# Altium PCB lora_gw_som_pcb.PcbDoc (part 3 of 3)
Units mm, origin at the board's own origin, x right, y up, seen from the top; angles counter-clockwise.
Board outline 30 x 50.95 mm, 6 copper layers (Top, GND-1, Signal-1, Signal-2, GND-2, Bottom), stack 0.926 mm thick; 205 components, 139 nets, 657 pads, 558 vias.
Unrouted connection lines stored in the file: 164.
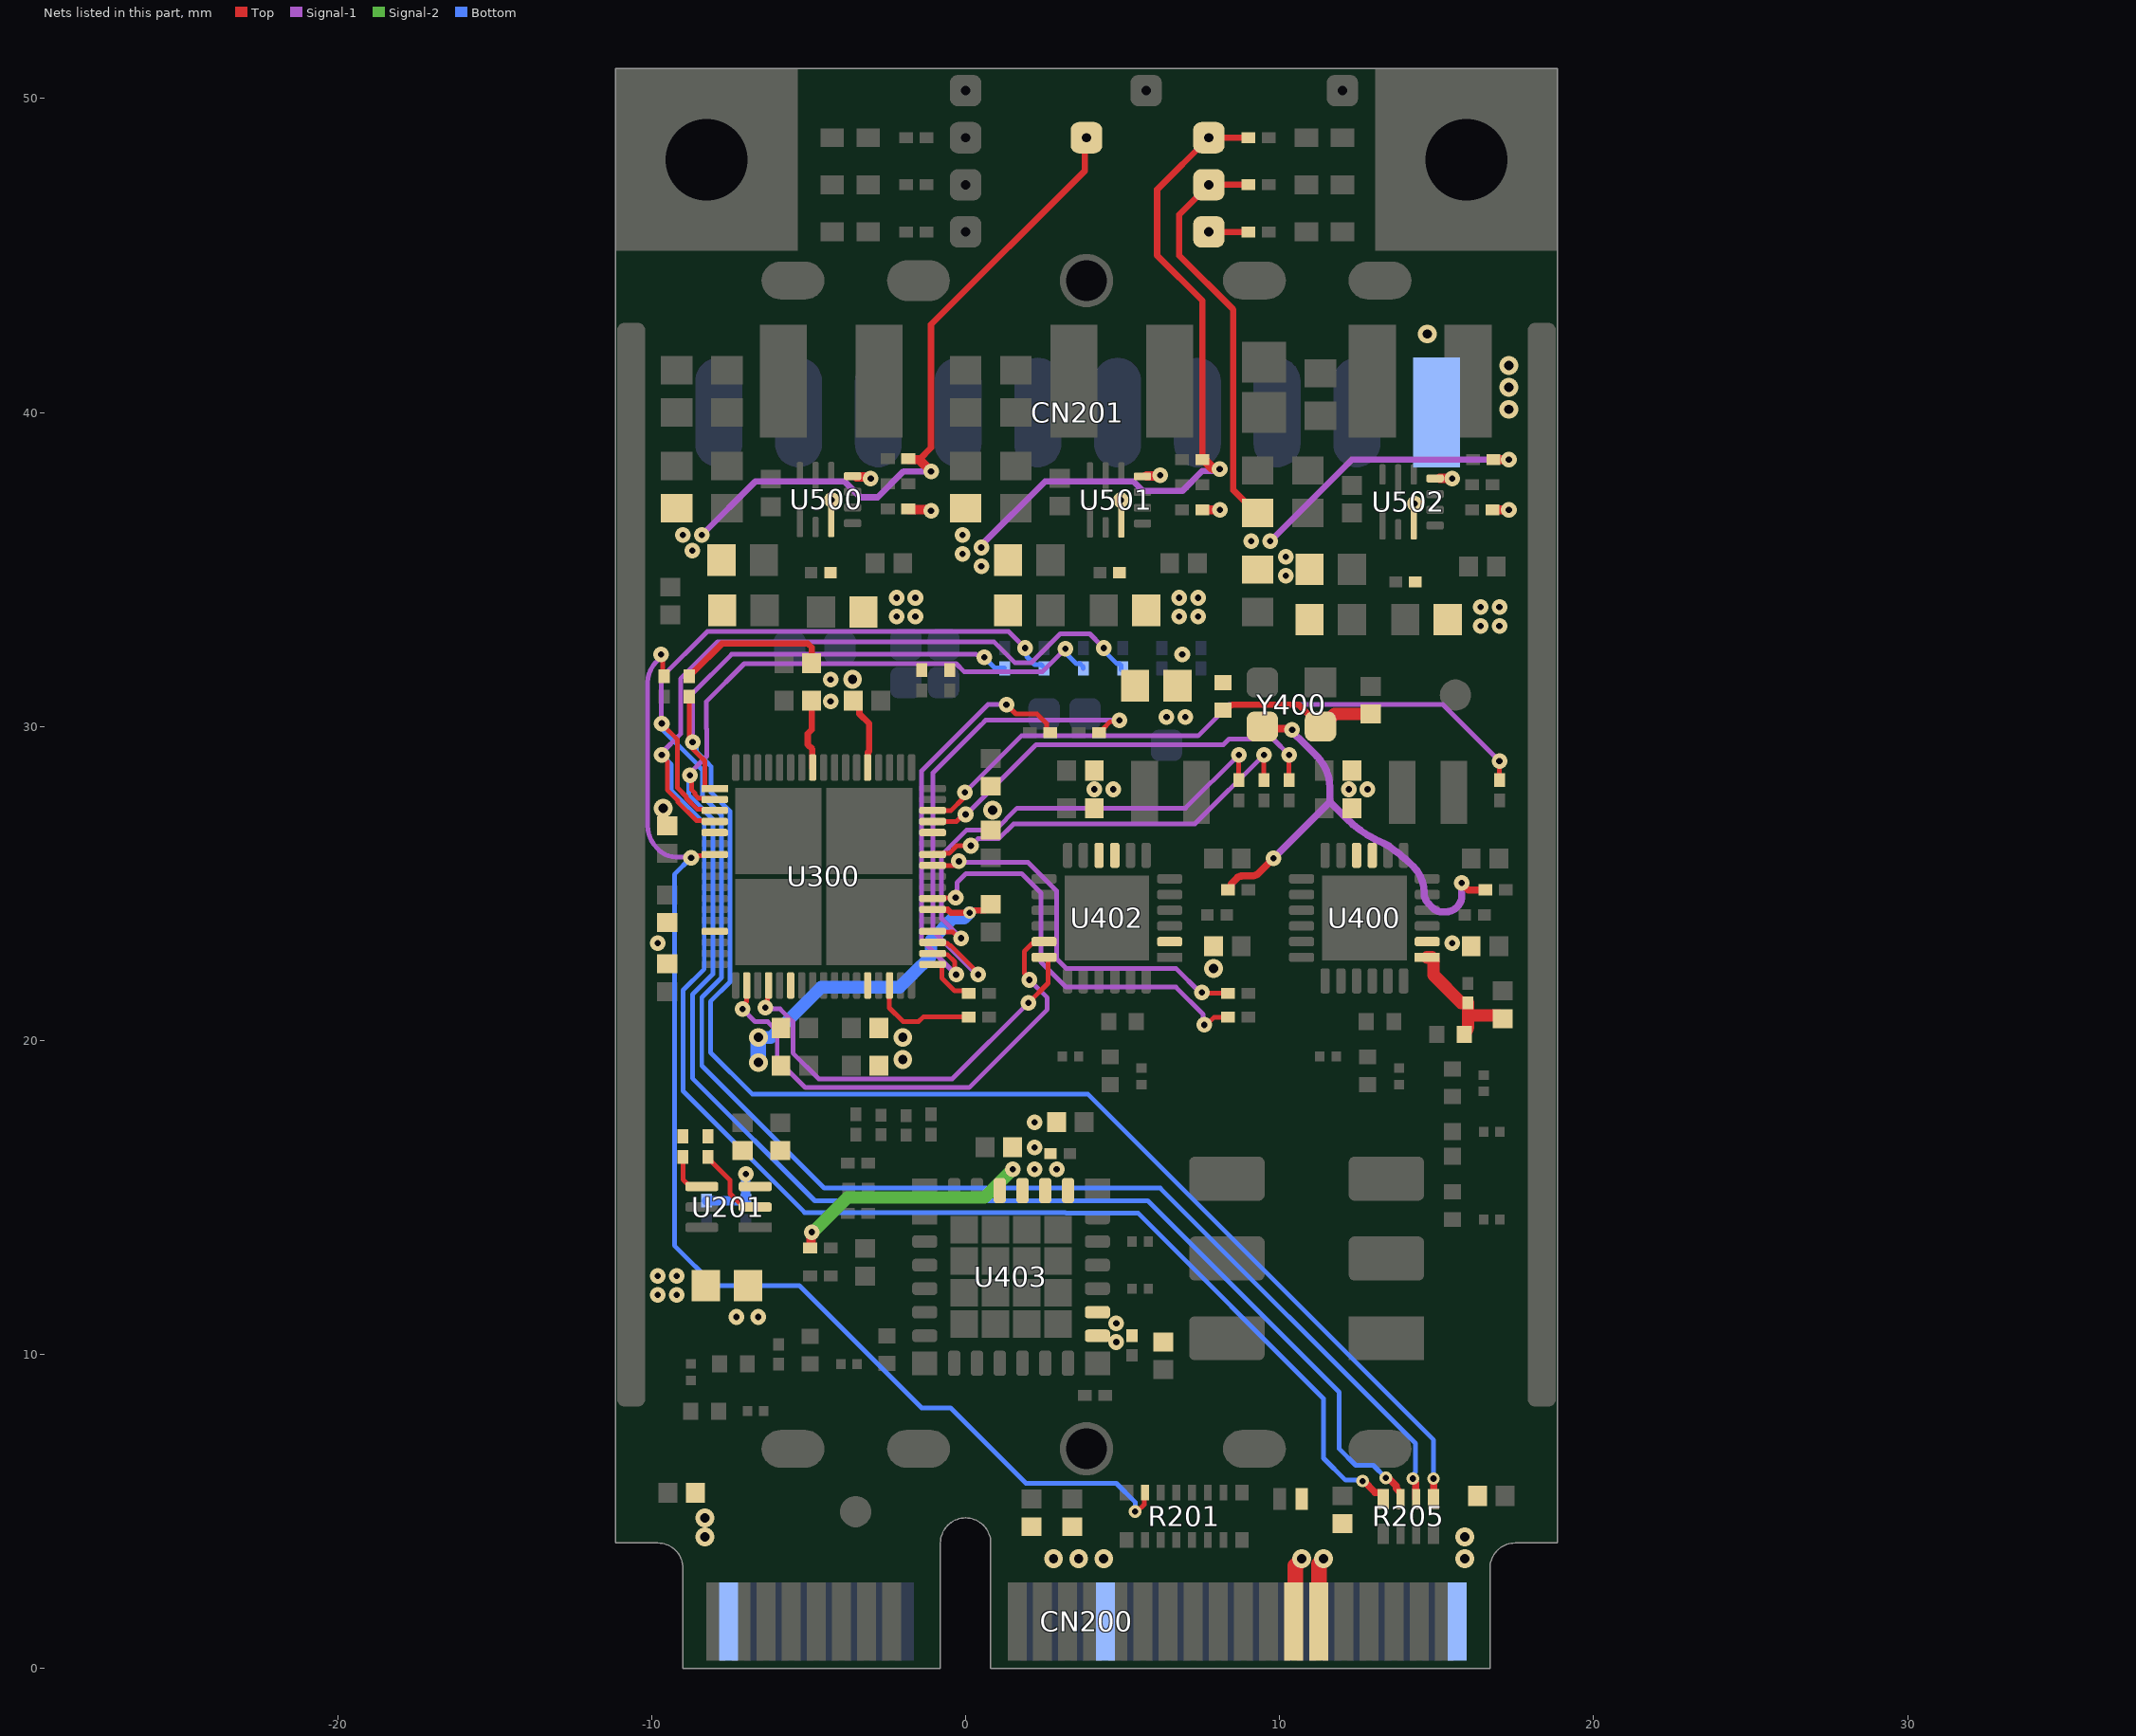
[diagram p7: the nets of this part, all layers, seen from the top]

## Via types
v1: diameter 0.4/0.5/0.5/0.4 (per signal layer), hole 0.2, Top to Bottom, 353 vias
v2: diameter 0.65, hole 0.3, Top to Bottom, 150 vias
v3: diameter 0.6/0.6/0.6/0.6 (per signal layer), hole 0.3, Top to Bottom, 39 vias
v4: diameter 0.7, hole 0.3, Top to Bottom, 16 vias

## Nets (pads, with @x,y where several pads share a name; then routed paths per layer and width w, separated by ;. In a path a pad name is that pad's centre, name@x,y a point inside that pad or via, vN(x,y) a via of type N, cw(c..) or ccw(c..) an arc to the next point about the centre after c; other vN are vias at no path point) (continued)
SPI_RADIO_B.MOSI: U300.19 U402.17 | length 16
  Top w0.15: v1(-7.1,21) -7.052,21.048 -7.052,21.168 -6.98,21.241 -6.98,21.746 U300.19@-6.97,21.755 ; v1(2.032,21.932) 2.032,21.983 1.871,22.145 1.871,22.846 2.1,23.075 2.425,23.075 U402.17@2.5,23.15
  Signal-1 w0.15: v1(-7.1,21) -6.7,20.6 -6.3,20.6 -6,20.3 -6,19.4 -5.1,18.5 0.111,18.5 2.6,20.989 2.6,21.364 v1(2.032,21.932)
SPI_RADIO_B.SCK: U300.21 U402.18 | length 13.4
  Top w0.15: v1(-6.374,21.055) -6.374,21.122 -6.305,21.192 -6.305,21.72 U300.21@-6.27,21.755 ; v1(2,21.2) 2.625,21.825 2.625,22.575 2.55,22.65 U402.18@2.5,22.65
  Signal-1 w0.15: v1(-6.374,21.055) -6.328,21.008 -5.908,21.008 -5.5,20.6 -5.5,19.6 -4.675,18.775 -0.425,18.775 v1(2,21.2)
SPI_SX1302.MISO: R205.3 R212.2 U300.2 | length 56.8
  Top w0.15: v1(-8.775,28.444) -8.731,28.4 -8.731,27.991 -8.615,27.875 -8.615,27.828 -8.498,27.71 -8.025,27.71 U300.2@-7.99,27.675
  Top w0.227: v1(13.384,6.075) 13.417,6.042 13.496,6.042 13.714,5.824 13.714,5.736 13.839,5.611 13.839,5.411 R205.3@13.85,5.4
  Signal-1 w0.15: v1(-8.775,28.444) -8.775,28.525 -8.243,29.057 -8.243,29.924 -8.25,29.932 -8.25,30.799 -7.049,32 -0.3,32 -0.05,31.75 2.45,31.75 v1(3.176,32.476)
  Bottom w0.15: v1(-8.775,28.444) -8.808,28.41 -8.808,27.808 -8.05,27.05 -8.05,22.114 -8.7,21.464 -8.7,18.8 -4.8,14.9 5.8,14.9 11.9,8.8 11.9,7 12.423,6.477 12.481,6.477 12.483,6.475 12.984,6.475 v1(13.384,6.075) ; v1(3.176,32.476) 3.223,32.428 3.223,32.304 3.532,31.995 3.65,31.995 3.75,31.895 R212.2@3.75,31.85
SPI_SX1302.MOSI: R205.2 R213.2 U300.3 | length 60.2
  Top w0.15: v1(-9.675,30.098) -9.675,30.08 -9.175,29.58 -9.175,28.046 -8.89,27.761 -8.89,27.714 -8.537,27.36 -8.025,27.36 U300.3@-7.998,27.333
  Top w0.227: v1@14.244,6.06 14.244,5.999 14.339,5.905 14.339,5.411 R205.2@14.35,5.4
  Signal-1 w0.15: v1(-9.675,30.098) -9.693,30.116 -9.693,31.557 -8.225,33.025 1.375,33.025 v1(1.9,32.5)
  Bottom w0.15: v1(-9.675,30.098) -9.646,30.069 -9.646,29.894 -8.464,28.713 -8.464,28.695 -8.375,28.606 -8.375,27.775 -7.775,27.175 -7.775,22 -8.4,21.375 -8.4,19.2 -4.5,15.3 6.2,15.3 14.325,7.175 14.325,6.263 14.288,6.226 14.288,6.098 v1(14.24,6.05) ; v1(1.9,32.5) 1.948,32.452 1.948,32.227 2.206,31.969 2.4,31.969 2.5,31.869 R213.2@2.5,31.85
SPI_SX1302.NSS: R205.1 R214.2 R300.2 U300.1 | length 56.4
  Top w0.15: R300.2@-8.8,30.95 v1@-8.8,29.507 ; v1(-8.693,29.507) v1@-8.8,29.507 ; U300.1@-7.99,28.025 -8.26,28.025 -8.3,28.065 -8.3,28.9 -8.8,29.4 v1@-8.8,29.507
  Top w0.227: R205.1@14.9,5.4 14.903,5.403 14.903,6.06 v1@14.907,6.063
  Signal-1 w0.15: v1(-8.693,29.507) -8.693,31.057 -7.45,32.3 0.337,32.3 0.37,32.267 0.533,32.267 v1(0.6,32.2)
  Bottom w0.15: v1(-8.693,29.507) -8.693,29.44 -8.568,29.315 -8.568,29.206 -8.189,28.827 -8.189,28.809 -8.1,28.72 -8.1,27.9 -7.5,27.3 -7.5,21.866 -8.125,21.241 -8.125,19.625 -6.8,18.3 3.889,18.3 14.907,7.282 v1@14.907,6.063 ; v1(0.6,32.2) 0.938,31.862 1.238,31.862 R214.2@1.24,31.86
  other v1: 14.9,6.05
SPI_SX1302.SCK: R205.4 R211.2 U300.4 | length 62
  Top w0.15: v1(-9.675,29.1) -9.675,29.062 -9.5,28.887 -9.5,27.982 -9.165,27.647 -9.165,27.6 -8.576,27.01 -8.025,27.01 U300.4@-7.99,26.975
  Top w0.227: v1(12.64,5.973) 12.682,5.973 13.043,5.611 13.239,5.611 13.3,5.55 R205.4@13.3,5.4
  Signal-1 w0.15: v1(-9.675,29.1) -9.675,29.161 -9.075,29.761 -9.075,31.525 -7.9,32.7 0.9,32.7 1.566,32.034 2.098,32.034 3.014,32.95 3.955,32.95 4.135,32.77 4.135,32.765 v1(4.4,32.5)
  Bottom w0.15: v1(-9.675,29.1) -9.368,28.793 -9.368,27.968 -8.325,26.925 -8.325,22.275 -9,21.6 -9,18.4 -5.125,14.525 3.178,14.525 3.203,14.5 5.5,14.5 11.4,8.6 11.4,6.7 12.1,6 12.475,6 12.502,5.973 v1(12.64,5.973) ; v1(4.4,32.5) 4.448,32.452 4.448,32.374 4.827,31.995 4.9,31.995 4.95,31.945 R211.2@4.95,31.8
SX1302_A_IQ0: R301.1 U300.44 | length 12.5
  Top w0.15: U300.44@-1.05,25.575 -0.364,25.575 -0.232,25.707 v1(-0.212,25.707) ; v1(7.527,21.527) 7.541,21.514 8.336,21.514 R301.1@8.35,21.5
  Signal-1 w0.15: v1(-0.212,25.707) -0.182,25.677 1.986,25.677 2.9,24.764 2.9,22.6 3.2,22.3 6.7,22.3 7.473,21.527 v1(7.527,21.527)
SX1302_A_IQ1: R302.1 U300.45 | length 12.7
  Top w0.15: U300.45@-1.05,25.925 -1.015,25.96 -0.524,25.96 -0.28,26.205 v1(0.166,26.205) ; R302.1@9.5,28.3 v1(9.5,29.1)
  Signal-1 w0.15: v1(0.166,26.205) 0.177,26.205 0.398,26.425 1.053,26.425 1.528,26.9 7.3,26.9 v1(9.5,29.1)
SX1302_A_IQ2: R303.1 U300.49 | length 20.9
  Top w0.15: U300.49@-1.05,27.325 -0.463,27.325 -0.073,27.715 -0.073,27.852 v1(-0.025,27.9) ; R303.1@17,28.3 v1(17,28.9)
  Signal-1 w0.15: v1(-0.025,27.9) 1.775,29.7 7.4,29.7 8.4,30.7 15.2,30.7 v1(17,28.9)
SX1302_A_IQ3: R304.1 U300.41 | length 13.5
  Top w0.15: U300.41@-1.05,24.525 -1.035,24.54 -0.331,24.54 v1(-0.316,24.555) ; v1(7.6,20.5) 7.668,20.5 7.905,20.737 8.337,20.737 R304.1@8.35,20.75
  Signal-1 w0.15: v1(-0.316,24.555) -0.271,24.6 -0.271,25.031 0.016,25.317 1.783,25.317 2.4,24.7 2.4,22.5 3.2,21.7 6.7,21.7 7.564,20.836 7.564,20.536 v1(7.6,20.5)
SX1302_A_IQ4: R305.1 U300.48 | length 13.4
  Top w0.15: U300.48@-1.05,26.975 -0.292,26.975 -0.068,27.2 v1(0,27.2) ; R305.1@10.3,28.3 v1(10.3,29.1)
  Signal-1 w0.15: v1(0,27.2) 0.025,27.2 2.25,29.425 8.214,29.425 8.389,29.6 9.8,29.6 v1(10.3,29.1)
SX1302_B_IQ0: R306.1 U300.35 | length 1.6
  Top w0.15: U300.35@-0.838,22.425 -0.798,22.425 -0.758,22.385 -0.758,21.992 -0.345,21.579 0.021,21.579 R306.1@0.1,21.5
SX1302_B_IQ1: R308.1 U300.36 | length 13.6
  Top w0.15: U300.36@-1.05,22.775 -1.015,22.74 -0.576,22.74 -0.348,22.512 -0.348,22.148 v1(-0.3,22.1) ; v1(1.3,30.7) 1.6,30.4 2.275,30.4 2.581,30.094 2.581,29.9 2.669,29.812 R308.1@2.688,29.812
  Signal-1 w0.15: v1(-0.3,22.1) -1.4,23.2 -1.4,28.588 0.712,30.7 v1(1.3,30.7)
SX1302_B_IQ2: R309.1 U300.38 | length 15.5
  Top w0.15: U300.38@-1.05,23.475 -1.026,23.451 -0.4,23.451 -0.208,23.26 v1(-0.14,23.26) ; R309.1@8.7,28.3 v1(8.7,29.1)
  Signal-1 w0.15: v1(-0.14,23.26) -0.767,23.886 -0.767,25.908 0.025,26.7 0.939,26.7 1.639,27.4 7,27.4 v1(8.7,29.1)
SX1302_B_IQ3: R310.1 U300.32 | length 3.5
  Top w0.15: U300.32@-2.42,21.755 -2.426,21.75 -2.426,21.049 -2.431,21.044 -1.994,20.607 -1.493,20.607 -1.35,20.75 R310.1@0.1,20.75
SX1302_B_IQ4: R311.1 U300.37 | length 16.4
  Top w0.15: U300.37@-1.05,23.125 -1.015,23.09 -0.567,23.09 -0.492,23.015 -0.462,23.015 0.4,22.153 v1(0.4,22.1) ; R311.1@4.25,29.8 4.295,29.8 4.395,29.9 4.395,29.945 4.602,30.152 4.852,30.152 v1(4.9,30.2)
  Signal-1 w0.15: v1(0.4,22.1) 0.353,22.1 -1.042,23.494 -1.042,28.523 0.486,30.05 ; 0.486,30.05 0.636,30.2 v1(4.9,30.2)
SX1302_RESET: R201.15 R307.1 U300.7 | length 40.8
  Top w0.15: v1(-9.7,32.3) -9.652,32.252 -9.652,31.652 R307.1@-9.6,31.6 ; v1(-8.74,25.825) -8.672,25.825 -8.607,25.89 -8.025,25.89 U300.7@-7.99,25.925 ; v1(5.394,5.006) 5.462,5.006 5.581,5.125 5.593,5.125 5.693,5.226 5.693,5.581 R201.15@5.713,5.6
  Signal-1 w0.15: -10.125,31.393 -10.125,26.859 ccw(c-9.079,26.858) -9.819,26.119 -9.818,26.118 -9.772,26.072 ccw(c-9.221,26.621) -9.221,25.843 -8.758,25.843 v1(-8.74,25.825) ; -10.125,31.394 cw(c-9.191,31.394) -9.852,32.054 -9.7,32.205 v1(-9.7,32.3)
  Bottom w0.15: v1(-8.74,25.825) -9.275,25.29 -9.275,21.714 -9.275,13.475 -8,12.2 -5.3,12.2 -1.4,8.3 -0.476,8.3 1.924,5.9 4.8,5.9 5.399,5.301 5.399,5.011 v1(5.394,5.006)
TCXO.OUT: R400.1 R401.1 Y400.3 | length 15.6
  Top w0.227: R401.1@8.35,24.8 8.456,24.861 8.456,24.989 8.636,25.169 cw(c8.812,24.993) 8.812,25.241 9.13,25.241 ccw(c9.13,25.511) 9.32,25.32 v1(9.8,25.8) ; Y400.3@9.45,30 9.517,29.933 10.367,29.933 v1(10.4,29.9) ; v1(15.8,25.019) 15.8,25.013 16.013,24.8 R400.1@16.55,24.8
  Signal-1 w0.227: v1(9.8,25.8) 11.6,27.6 ; v1(10.4,29.9) 10.4,29.842 10.789,29.453 11.183,29.059 11.184,29.057 cw(c10.179,28.053) 11.6,28.053 11.6,27.6 ; v1(15.8,25.019) 15.8,24.606 cw(c15.304,24.606) 15.654,24.254 15.643,24.243 cw(c15.298,24.589) 15.298,24.1 15.173,24.1 cw(c15.175,24.521) 14.877,24.223 14.749,24.351 cw(c15.105,24.709) 14.6,24.707 ccw(c13.409,24.71) 14.252,25.551 ccw(c10.52,21.812) 13.456,26.204 ccw(c13.33,26.015) 13.435,26.216 13.318,26.278 cw(c14.736,29.691) 12.119,27.081 11.6,27.6
TEMP.ADDR: R209.1 U201.4 | length 1.4
  Top w0.15: R209.1@-9,16.3 -9,15.75 -9,15.575 -8.775,15.35 U201.4@-8.4,15.35
TEMP.EVENT: R208.1 U201.2 | length 2.4
  Top w0.15: R208.1@-8.2,16.3 -8.2,16.255 -7.5,15.555 -7.5,15.125 -7.075,14.7 U201.2@-6.7,14.7
VCC_CORE_1V2: 1V2.0 C309.2 C310.2 C311.2 C312.2 C313.2 C507.2 C508.2 FB500.2 R501.2 U300.5 U300.23 U300.40 U300.56 | length 35.7
  Top w0.2: C309.2@-3.58,30.82 -3.38,30.62 -3.38,30.403 -3.069,30.091 -3.069,29.221 -3.11,29.18 -3.11,28.705 U300.56@-3.12,28.695 ; -1.45,38.525 -1.1,38.875 -1.1,42.8 3.8,47.7 3.8,48.7 1V2.0@3.85,48.75 ; U300.40@-1.05,24.175 -1.04,24.165 -0.565,24.165 -0.473,24.072 v1(0.128,24.072) ; v1@0.1,24.1 0.21,24.1 0.25,24.14 0.6,24.14 C310.2@0.8,24.34
  Top w0.3: R501.2@-1.825,38.525 -1.8,38.5 -1.475,38.5 v1@-1.119,38.144
  Signal-1 w0.2: v1(-8.4,36.1) -6.7,37.8 -3.85,37.8 -3.35,37.3 -2.8,37.3 -1.975,38.125 v1(-1.1,38.125)
  Bottom w0.4: v3(-6.6,20.1) -6.2,20.1 -4.6,21.7 -2.1,21.7 -1.7,22.1 -1.1,22.7 -1.1,23.2 -0.4,23.9 -0.044,23.9 v1(0.128,24.072)
  Bottom w0.5: v3(-6.6,19.3) v3(-6.6,20.1)
  other v1: -8.7,35.6 -9,36.1
  other v3: -9.625,27.4 -3.6,31.5
VCC_IN_5V: C201.2 C202.2 C203.2 C204.2 C205.2 C500.2 C501.2 C502.2 C510.2 C511.2 C512.2 CN200.2 CN200.24 CN200.39 CN200.41 CN200.52 CN201.1 D200.2 R204.2 R500.2 R504.2 R507.2 U500.6 U500.10 U501.6 U501.10 U502.6 U502.10 VIN.0 | length 8.6
  Top w0.2: VIN.0@7.75,45.75 R204.2@9,45.75
  Top w0.3: U500.10@-3.475,37.95 -3.097,37.95 -3.047,37.9 v1(-3.02,37.9) ; R500.2@-1.825,36.925 -1.803,36.903 -1.155,36.903 -1.127,36.875 v1(-1.1,36.875) ; U501.10@5.76,37.982 6.182,37.982 v1(6.2,38) ; R504.2@7.545,36.9 v1(8.1,36.9) ; U502.10@15.1,37.9 v1(15.5,37.9) ; R507.2@16.78,36.9 v1(17.3,36.9)
  Top w0.5: CN200.39@10.45,1.5 10.5,1.55 10.5,3.273 10.7,3.473 v3(10.7,3.5) ; CN200.41@11.25,1.5 11.25,3.323 11.4,3.473 v3(11.4,3.5)
  Signal-1 w0.3: v1@-3,37.88 v1@-3,37.9
  other v1: 16.4,33.2 17,33.2 -2.2,33.5 -1.6,33.5 6.8,33.5 7.4,33.5 16.4,33.8 17,33.8 -2.2,34.1 -1.6,34.1 6.8,34.1 7.4,34.1 14.3,37.1 4.94,37.208 -4.268,37.219
  other v3: 2.8,3.5 3.6,3.5 4.4,3.5 15.9,3.5 -8.3,4.2 15.9,4.2 -8.3,4.8 17.3,40.1 17.3,40.8 17.3,41.5 14.7,42.5
VCC_IO_3V3: 3V3.0 C206.2 C207.2 C300.2 C302.2 C303.2 C304.2 C305.2 C306.2 C307.2 C308.2 C519.2 C520.2 FB501.2 FB503.1 FB504.1 R202.2 R206.2 R207.2 R208.2 R209.2 R300.1 R312.2 R313.2 R505.2 U201.3 U300.14 U300.30 U300.47 U300.61 | length 31.6
  Top w0.2: R300.1@-8.8,31.6 -8.8,31.645 -8.725,31.72 -8.68,31.72 -7.76,32.64 -5.017,32.64 -4.9,32.523 C308.2@-4.9,32.04 ; C303.2@-4.9,30.82 -4.9,29.901 -5.025,29.776 -5.025,29.424 -4.88,29.279 -4.88,28.705 U300.61@-4.87,28.695 ; R505.2@7.545,38.5 7.545,43.555 6.1,45 6.1,47.1 3V3.0@7.75,48.75 R202.2@9,48.75
  Top w0.3: R505.2@7.545,38.5 7.59,38.5 7.876,38.214 8.074,38.214 v1(8.093,38.195)
  Signal-1 w0.2: v1(0.5,35.7) 0.5,35.772 2.528,37.8 5.35,37.8 5.65,37.5 6.9,37.5 7.543,38.143 8.04,38.143 v1(8.093,38.195)
  Bottom w0.3: R206.2@-8.25,14.9 R207.2@-7,14.9 v1(-7,15.75)
  other v1: -9.8,11.9 -9.2,11.9 -9.8,12.5 -9.2,12.5 -9.8,23.1 -4.3,30.8 -4.3,31.5 0.5,35.1 -0.1,35.5 -0.1,36.1
  other v3: -2,19.4 -2,20.1 0.866,27.334
VCC_RADIO_3V3: C416.2 C417.2 C418.2 C419.2 C421.2 C422.2 FB503.2 L406.1 U400.2 U400.9 U400.10 U402.2 U402.9 U402.10
  other v1: 15.5,23.1 4.1,28 4.7,28 12.2,28 12.8,28 6.4,30.3 7,30.3 6.9,32.3
  other v3: 7.9,22.3
VCC_RFSW_3V3: C433.2 C434.2 FB504.2 U403.16 U403.17
  other v1: 4.8,10.4 4.8,11 -7.3,11.2 -6.6,11.2
VCC_RFSW_3V9: 3V9.0 C435.2 C436.2 C437.2 C527.2 C528.2 C529.2 FB502.2 R203.2 R404.2 R508.2 U403.23 U403.24 U403.25 U403.26 | length 30.1
  Top w0.2: R203.2@9,47.25 3V9.0@7.75,47.25 6.8,46.3 6.8,45 8.525,43.275 8.525,37.525 9.25,36.8 FB502.2@9.3,36.8
  Top w0.3: R404.2@-4.95,13.4 -4.944,13.4 -4.919,13.425 -4.919,13.881 v1(-4.9,13.9) ; R508.2@16.805,38.5 v1(17.3,38.5)
  Signal-1 w0.2: v1(9.7,35.9) 12.3,38.5 v1(17.3,38.5)
  Signal-2 w0.4: v1@-4.873,13.9 -3.773,15 0.6,15 v1(1.5,15.9)
  other v1: 2.2,15.9 2.9,15.9 2.2,16.6 2.2,17.4 10.2,34.8 10.2,35.4 9.1,35.9
VR_PA: C411.2 C412.2 L400.1 U400.1 | length 4.4
  Top w0.4: U400.1@14.7,22.65 14.85,22.65 14.9,22.6 14.9,22.085 15.785,21.2 C411.2@16,21.2 16,20.8 ; L400.1@15.88,20.2 ccw(c15.59,20.49) 16,20.49 16,20.8 ; C412.2@17.1,20.7 17,20.8 16,20.8
Y_VCC: C410.2 L406.2 Y400.4 | length 5.2
  Top w0.2: L406.2@8.2,30.52 8.34,30.66 8.447,30.66 8.487,30.7 10.6,30.7 Y400.4@11.3,30
  Top w0.4: Y400.4@11.3,30 11.345,30 11.746,30.401 C410.2@12.9,30.4
pads on no net: CN200.6 CN200.7 CN200.8 CN200.10 CN200.11 CN200.13 CN200.17 CN200.19 CN200.20 CN200.22 CN200.23 CN200.25 CN200.28 CN200.31 CN200.33 CN200.36 CN200.38 CN200.48 FID1.0 FID2.0 U300.8 U300.11 U300.17 U300.22 U300.26 U300.27 U300.29 U300.31 U400.4 U401.2 U401.5 U402.1 U402.4 U402.24
copper on no net: | length 7.3
  Bottom w0.15: 5.005,46.519 cw(c3.833,46.519) 5.005,46.549

## Polygon pours and split planes (outlines as drawn)
GND on Top "GND_L01_P107" (solid, remove dead copper, pour order 107): -12,51 19,51 19,3 -12,3
VCC_IN_5V on Top "VCC_IN_5V_L01_P037" (solid, remove dead copper, pour order 37): -7.9,3.9 -7.9,5.52 -8.3,5.92 -8.9,5.92 -8.9,3.9
VCC_RFSW_3V3 on Top "VCC_RFSW_3V3_L01_P093" (solid, pour order 93): -7.6,11 -7.5,10.9 -6.4,10.9 -6.3,11 -6.3,12.525 -6.475,12.7 -7.375,12.7 -7.6,12.475
GND on Top "GND_L01_P102" (solid, pour order 102): -2.885,28.328 -2.885,30.385 -3,30.5 -3,31.71 -2.934,31.776 -2.566,31.776 -2.4,31.61 -2.4,28.583 -2.655,28.328
GND on Top "GND_L01_P073" (solid, remove dead copper, pour order 73): -1.418,23.94 0.94,23.94 1.12,23.76 1.12,22.6 0.428,22.6 -0.683,23.71 -1.418,23.71
GND on Top "GND_L01_P056" (solid, remove dead copper, pour order 56): -7.622,26.16 -8.68,26.16 -9.18,25.66 -9.18,24.34 -9.82,24.34 -9.82,26.481 -9.79,26.51 -7.719,26.51 -7.582,26.374 -7.582,26.177 -7.606,26.177
GND on Top "GND_L01_P055" (solid, remove dead copper, pour order 55): -5.335,28.328 -5.335,29.063 -6.08,29.808 -7.2,30.885 -7.2,31.9 -6.76,32.34 -5.2,32.34 -5.2,29.5 -5.105,29.405 -5.105,28.328
VCC_CORE_1V2 on Top "VCC_CORE_1V2_L01_P054" (solid, remove dead copper, pour order 54): -3.235,29.855 -3.88,30.5 -3.88,31.841 -3.341,31.841 -3.005,31.505 -3.005,28.328 -3.235,28.328 -3.005,28.328 -3.235,28.328
VCC_IO_3V3 on Top "VCC_IO_3V3_L01_P053" (solid, remove dead copper, pour order 53): -4.985,28.328 -4.985,29.56 -5.2,29.775 -5.2,32.34 -4.54,32.34 -4,31.8 -4,30.5 -4.1,30.5 -4.755,29.845 -4.755,28.328 -4.985,28.328 -4.985,28.887 -4.985,28.695
VCC_IO_3V3 on Top "VCC_IO_3V3_L01_P052" (solid, remove dead copper, pour order 52): -7.622,23.59 -7.622,23.36 -8.56,23.36 -9.18,22.74 -9.18,22.14 -9.82,22.14 -9.82,24.06 -9.18,24.06 -8.71,23.59 -8.357,23.59
VCC_CORE_1V2 on Top "VCC_CORE_1V2_L01_P051" (solid, remove dead copper, pour order 51): -7.622,26.74 -7.622,26.51 -9.79,26.51 -9.82,26.54 -9.82,27.14 -9.18,27.14 -8.78,26.74
VCC_CORE_1V2 on Top "VCC_CORE_1V2_L01_P050" (solid, remove dead copper, pour order 50): 1.12,24.64 1.12,24 -1.357,24 -1.418,24.06 -1.418,24.29 0.13,24.29 0.48,24.64 0.8,24.64
VCC_IO_3V3 on Top "VCC_IO_3V3_L01_P048" (solid, remove dead copper, pour order 48): -1.418,26.74 0.22,26.74 0.48,27 0.48,28.4 1.12,28.4 1.12,26.4 0.48,26.4 0.37,26.51 -1.418,26.51
VCC_CORE_1V2 on Top "VCC_CORE_1V2_L01_P047" (solid, remove dead copper, pour order 47): -5.455,22.123 -5.455,19.005 -5.58,18.88 -6.68,18.88 -6.9,19.1 -6.9,20.5 -6.68,20.72 -6.18,20.72 -5.685,21.215 -5.685,22.123
VCC_IO_3V3 on Top "VCC_IO_3V3_L01_P046" (solid, remove dead copper, pour order 46): -3.005,22.123 -3.005,21.388 -2.46,20.843 -2.46,20.66 -2.2,20.4 -1.7,20.4 -1.7,19.2 -2.02,18.88 -2.46,18.88 -3.06,18.88 -3.235,19.055 -3.235,22.123
VCC_RFSW_3V3 on Top "VCC_RFSW_3V3_L01_P033" (solid, remove dead copper, pour order 33): 3.899,11.55 5.95,11.55 6.62,10.88 6.62,10.1 5.775,10.1 5.575,10.3 3.999,10.3 3.799,10.5 3.799,11.45
VCC_IN_5V on Top "VCC_IN_5V_L01_P106" (solid, pour order 106): 15.6,3.1 15.6,5.42 16,5.82 16.6,5.82 16.6,3.499 16.201,3.1
VCC_IO_3V3 on Top "VCC_IO_3V3_L01_P091" (solid, pour order 91): -7.825,11.7 -10,11.7 -10.1,11.8 -10.1,12.6 -10,12.7 -7.825,12.7
VCC_IN_5V on Top "VCC_IN_5V_L01_P045" (solid, remove dead copper, pour order 45): 1.78,4.82 3.72,4.82 4.7,3.84 4.7,3.1 2.5,3.1 2.5,3.5 1.78,4.22
VCC_IN_5V on Top "VCC_IN_5V_L01_P039" (solid, remove dead copper, pour order 39): 10.15,4.15 10.5,4.5 10.5,5.75 10.9,5.75 11.73,4.92 12.32,4.92 12.32,4.32 11.7,3.7 11.7,3.1 10.15,3.1
VCC_RFSW_3V9 on Top "VCC_RFSW_3V9_L01_P032" (solid, remove dead copper, pour order 32): 3.362,14.825 3.462,14.925 3.462,15.663 2.9,16.225 2.9,16.78 3.2,17.08 3.2,17.72 2,17.72 1.2,16.92 1.2,15.838 0.887,15.525 0.887,14.925 0.987,14.825
VCC_IO_3V3 on Top "VCC_IO_3V3_L01_P031" (solid, remove dead copper, pour order 31): -9.175,17.17 -7.79,17.17 -7.42,16.8 -5.58,16.8 -5.58,16.2 -6.175,15.605 -6.175,15.275 -6.25,15.2 -7.15,15.2 -7.225,15.275 -7.225,16.005 -7.95,16.73 -9.175,16.73
VCC_IN_5V on Top "Top-VCC_IN_5V" (solid, pour order 0): 14.1,37.1 14.5,37.1 14.5,35.7 16.2,34 17.3,34 17.3,32.9 14.9,32.9 14.1,32.9
DC3V9.SW on Top "DC3V9.SW_L01_P003" (solid, pour order 3): 15.25,42.8 16.75,42.8 16.75,39.2 14.8,39.2 13.875,38.275 13.875,37.35 13.675,37.35 13.675,38.875 15.25,40.45
DC3V9.VO on Top "DC3V9.VO_L01_P004" (solid, pour order 4): 13.4,38.9 13.7,39.2 13.7,42.8 12.2,42.8 12.2,40.663 8.813,40.663 8.8,40.65 8.8,37.5 11.6,37.5 11.8,37.3 13.4,37.3
VCC_IN_5V on Top "VCC_IN_5V_L01_P007" (solid, pour order 7): 4.7,37.3 5.2,37.3 5.2,35.3 6.1,34.4 7.7,34.4 7.7,33.2 4.7,33.2
DC3V3.SW on Top "DC3V3.SW_L01_P009" (solid, pour order 9): 7.25,42.8 5.75,42.8 5.75,40.508 4.36,39.119 4.36,37.415 4.56,37.415 4.56,38.36 5.4,39.2 7.25,39.2
DC3V3.VO on Top "DC3V3.VO_L01_P010" (solid, pour order 10): 4.2,39.2 4.1,39.1 4.1,37.6 -0.5,37.6 -0.5,40.45 2.665,40.45 2.7,40.485 2.7,42.8 4.2,42.8
VCC_IO_3V3 on Top "VCC_IO_3V3_L01_P012" (solid, pour order 12): -0.5,37.4 0.8,37.4 0.8,36.5 1.5,35.8 2.125,35.8 2.125,33.2 0.9,33.2 -0.5,34.6 -0.5,36.2
VCC_RFSW_3V9 on Top "VCC_RFSW_3V9_L01_P013" (solid, pour order 13): 8.8,37.25 9.8,37.25 9.8,36.2 10.5,35.5 11.4,35.5 11.4,32.9 10.5,32.9 10.5,33.7 9.65,34.55 8.8,34.55
VCC_IN_5V on Top "VCC_IN_5V_L01_P015" (solid, pour order 15): -4.5,37.219 -4.037,37.219 -4.037,35.387 -3.05,34.4 -1.3,34.4 -1.3,33.15 -4.5,33.15
DC1V2.SW on Top "DC1V2.SW_L01_P016" (solid, pour order 16): -4.675,37.475 -4.675,38.325 -3.8,39.2 -2,39.2 -2,42.8 -3.5,42.8 -3.5,40.516 -4.875,39.141 -4.875,38.675 -4.875,37.475
DC1V2.VO on Top "DC1V2.VO_L01_P017" (solid, pour order 17): -9.7,40.45 -7.1,40.45 -6.55,41 -6.55,42.8 -5.05,42.8 -5.05,39.2 -5.175,39.075 -5.175,37.58 -6.52,37.58 -6.79,37.85 -9.7,37.85
VCC_CORE_1V2 on Top "VCC_CORE_1V2_L01_P018" (solid, pour order 18): -9.7,37.4 -8.7,37.4 -8.7,36.743 -7.775,35.818 -7.775,35.8 -7.325,35.8 -7.3,35.775 -7.3,33.2 -8.5,33.2 -8.5,35.1 -9.7,36.3
VCC_CORE_1V2 on Top "VCC_CORE_1V2_L01_P066" (solid, remove dead copper, pour order 66): -9.18,27.14 -9.7,27.8 -9.18,27.14 -9.18,26.54 -10.078,26.54 -10.078,27.722 -9.638,27.722
VCC_RADIO_3V3 on Top "VCC_RADIO_3V3_L01_P074" (solid, remove dead copper, pour order 74): 12.3,25.5 12.3,26.375 12,26.675 12,28.92 13.08,28.92 13.1,28.9 13.1,25.5
VCC_RADIO_3V3 on Top "VCC_RADIO_3V3_L01_P075" (solid, remove dead copper, pour order 75): 4.1,25.5 4.1,26.375 3.8,26.675 3.8,28.92 4.88,28.92 4.9,28.9 4.9,25.5
VCC_RADIO_3V3 on Top "VCC_RADIO_3V3_L01_P076" (solid, remove dead copper, pour order 76): 6.175,23.3 7.58,23.3 7.6,23.32 8.2,23.32 8.2,22.4 7.6,22.4 7,23 6.175,23
VCC_RADIO_3V3 on Top "VCC_RADIO_3V3_L01_P077" (solid, remove dead copper, pour order 77): 14.375,23.3 15.78,23.3 15.8,23.32 16.4,23.32 16.4,22.68 15.52,22.68 15.2,23 14.375,23
VCC_IO_3V3 on Top "VCC_IO_3V3_L01_P078" (solid, remove dead copper, pour order 78): -0.5,35.7 2.8,32.4 2.8,30.8 1.3,30.8 -0.5,32.6
VCC_IO_3V3 on Top "VCC_IO_3V3_L01_P079" (solid, remove dead copper, pour order 79): -1.575,31.58 1.38,31.58 1.5,31.7 -0.1,33.3 -0.5,33.3 -1.575,32.225 -1.575,32.02
VCC_IO_3V3 on Top "VCC_IO_3V3_L01_P080" (solid, remove dead copper, pour order 80): 5.85,30.8 5.85,32.25 4.9,33.2 1.8,33.2 1.8,31 2,30.8
VCC_IO_3V3 on Top "VCC_IO_3V3_L01_P081" (solid, remove dead copper, pour order 81): -5.2,32.34 -4.44,33.1 -0.4,33.1 -0.4,31.68 -0.5,31.58 -5.2,31.58
VCC_RADIO_3V3 on Top "VCC_RADIO_3V3_L01_P086" (solid, pour order 86): 8.2,23.32 8.2,22 7.6,22 7.6,23.32
VCC_RADIO_3V3 on Top "VCC_RADIO_3V3_L01_P089" (solid, pour order 89): 7.93,31.67 7.93,31.64 8.47,31.64 8.47,31.16 7.93,31.16 7.2,30.43 7.2,30.2 7.1,30.1 6.3,30.1 6.2,30.2 6.2,32 6.6,32.4 6.7,32.5 7.1,32.5 6.7,32.5 7.1,32.5
GND on Bottom "GND_L06_P103" (solid, remove dead copper, pour order 103): -12,51 19,51 19,3 -12,3
VCC_IN_5V on Bottom "VCC_IN_5V_L06_P036" (solid, remove dead copper, pour order 36): -7.25,0.25 -7.85,0.25 -7.85,3.25 -8.6,4 -8.6,5.1 -7.25,5.1 -7.25,2.75
VCC_IN_5V on Bottom "VCC_IN_5V_L06_P069" (solid, remove dead copper, pour order 69): 14,42.4 14.5,42.9 14.9,42.9 15.9,41.9 17.5,41.9 17.6,41.8 17.6,39.9 17.5,39.8 17.1,39.8 15.9,38.6 15.9,36.9 14,36.9
VCC_IN_5V on Bottom "VCC_IN_5V_L06_P044" (solid, remove dead copper, pour order 44): 4.75,0.25 4.75,3.75 4.7,3.8 2.5,3.8 2.5,3.1 3.9,3.1 4.15,2.85 4.15,0.25
VCC_IN_5V on Bottom "VCC_IN_5V_L06_P043" (solid, remove dead copper, pour order 43): 15.35,0.25 15.35,4.35 15.5,4.5 16.3,4.5 16.3,3.1 15.95,2.75 15.95,0.25
GND on Signal-2 "NONET_L01_P-001" (solid, remove dead copper, pour order 110): -11.5,51 19,51 19,0 -11.5,0
VCC_IO_3V3 on Signal-2 "VCC_IO_3V3_L04_P108" (solid, remove dead copper, pour order 108): -0.25,36.5 0.75,36.5 1.5,35.75 1.5,20.9 -6.6,12.8 -7.517,12.8 -7.517,18.7 -6.3,18.7 -6,19 -6,22.897 -6,30.157 -4.396,31.761 -4.048,31.761 -4.048,31.048 -4,31 -3.2,31 -0.5,33.7 -0.5,36.25
VCC_RFSW_3V9 on Signal-2 "VCC_RFSW_3V9_L04_P098" (solid, remove dead copper, pour order 98): 1,15.7 1.3,15.4 3.2,15.4 4.5,16.7 4.5,26.6 3.5,27.6 3.5,30.4 6.2,33.1 6.2,34.538 10.438,34.538 10.6,34.7 10.6,35.4 9.8,36.2 4.8,36.2 1.8,33.2 1.8,18.2 1,17.4
VCC_CORE_1V2 on Signal-2 "VCC_CORE_1V2_L04_P072" (solid, pour order 72): -9.4,36.5 -4.5,36.5 -3.24,35.24 -3.24,31.2 -3.96,31.2 -3.96,31.9 -5.4,31.9 -6.8,30.5 -6.8,20.658 -6.556,20.658 -6.24,20.341 -6.24,19.059 -6.424,18.875 -7.875,18.875 -8.7,19.7 -8.7,23.1 -10.5,23.1 -10.5,35.4
VCC_RADIO_3V3 on Signal-2 "VCC_RADIO_3V3_L04_P097" (solid, remove dead copper, pour order 97): 14.9,25.4 10.6,25.4 8.1,22.9 8.1,31.3 9.9,31.3 14.9,26.3
VCC_RADIO_3V3 on Signal-2 "VCC_RADIO_3V3_L04_P095" (solid, remove dead copper, pour order 95): 6.1,32.6 8.6,32.6 13.5,27.7 3.8,27.7 3.8,30.3
VCC_IN_5V on Signal-2 "VCC_IN_5V_L04_P060" (solid, remove dead copper, pour order 60): 17.9,8.75 -10.2,8.75 -10.2,3 18.75,3 -9.5,3 17.9,3
VCC_IN_5V on Signal-2 "VCC_IN_5V_L04_P099" (solid, remove dead copper, pour order 99): 6.535,34.365 6.535,33.3 6.635,33.2 9.73,33.2 9.975,32.955 9.975,32.225 16.012,26.188 16.012,21.912 6.535,12.435 6.535,11.335 -1.6,3.2 18.2,3.2 18.2,34.365
VCC_IO_3V3 on Signal-2 "VCC_IO_3V3_L04_P090" (solid, remove dead copper, pour order 90): -10.5,17.4 -2.6,17.4 -8.5,11.5 -10.1,11.5 -10.5,11.9
VCC_IO_3V3 on Signal-2 "VCC_IO_3V3_L04_P109" (solid, remove dead copper, pour order 109): -10.5,23.1 -9.6,23.1 -8.9,22.4 -8.9,19.6 -8,18.7 -6.934,18.7 -6.9,18.734 -6.9,16.3 -10.461,16.3 -10.5,16.339
VCC_RFSW_3V3 on Signal-2 "VCC_RFSW_3V3_L04_P094" (solid, remove dead copper, pour order 94): -7.6,11.3 -7.4,11.5 -6.3,11.5 -5.3,10.5 3.6,10.5 4.5,11.4 5,11.4 5.1,11.3 5.1,10.4 3.8,9.1 -6.1,9.1 -7.6,10.6
VCC_IN_5V on Signal-2 "VCC_IN_5V_L04_P100" (solid, pour order 100): -2.3,33.2 -3,33.9 -3,35.4 -4.5,36.9 -4.5,38 3.75,46.25 18.2,46.25 18.2,33.2 6.635,33.2 6.535,33.3 6.535,34.365 10.665,34.365 10.9,34.6 10.9,35.5 9.758,36.642 -0.358,36.642 -0.7,36.3 -0.7,33.9 -1.4,33.2
VCC_RADIO_3V3 on Signal-2 "VCC_RADIO_3V3_L04_P101" (solid, remove dead copper, pour order 101): 14.9,26.3 14.9,24.2 15.745,23.355 15.745,22.945 15.6,22.8 14.9,22.8 14.2,23.5 14.2,25.2 14,25.4
VCC_RADIO_3V3 on Signal-2 "VCC_RADIO_3V3_L04_P096" (solid, remove dead copper, pour order 96): 8.2,29.5 8.2,22.1 8,21.9 7.6,21.9 6.2,23.3 6.2,25.3 3.8,27.7 3.8,29.5
VCC_IN_5V on Signal-2 "VCC_IN_5V_L04_P058" (solid, remove dead copper, pour order 58): 17.3,34.1 17.3,32.9 16.1,32.9 16.1,34.1
GND on GND-2 (split plane): 18.348,4.502 17.5,4.502 17.491,4.502 17.354,4.494 17.21,4.469 17.07,4.429 16.935,4.373 16.807,4.302 16.688,4.218 16.579,4.121 16.482,4.012 16.398,3.893 16.327,3.765 16.271,3.63 16.231,3.49 16.206,3.346 16.198,3.209 16.198,3.2 16.198,0.502 1.302,0.502 1.302,4 1.302,4.009 1.294,4.146 1.269,4.29 1.229,4.43 1.173,4.565 1.102,4.693 1.018,4.812 0.921,4.921 0.812,5.018 0.693,5.102 0.565,5.173 0.43,5.229 0.29,5.269 0.146,5.294 0,5.302 -0.146,5.294 -0.29,5.269 -0.43,5.229 -0.565,5.173 -0.693,5.102 -0.812,5.018 -0.921,4.921 -1.018,4.812 -1.102,4.693 -1.173,4.565 -1.229,4.43 -1.269,4.29 -1.294,4.146 -1.302,4.009 -1.302,4 -1.302,0.502 -8.498,0.502 -8.498,3.2 -8.498,3.209 -8.506,3.346 -8.531,3.49 -8.571,3.63 -8.627,3.765 -8.698,3.893 -8.782,4.012 -8.879,4.121 -8.988,4.218 -9.107,4.302 -9.235,4.373 -9.37,4.429 -9.51,4.469 -9.654,4.494 -9.791,4.502 -9.8,4.502 -9.834,4.502 -9.834,5.7 -10.648,5.7 -10.648,50.448 18.348,50.448
GND on GND-1 (split plane): 18.348,4.502 17.5,4.502 17.491,4.502 17.354,4.494 17.21,4.469 17.07,4.429 16.935,4.373 16.807,4.302 16.688,4.218 16.579,4.121 16.482,4.012 16.398,3.893 16.327,3.765 16.271,3.63 16.231,3.49 16.206,3.346 16.198,3.209 16.198,3.2 16.198,0.502 1.302,0.502 1.302,4 1.302,4.009 1.294,4.146 1.269,4.29 1.229,4.43 1.173,4.565 1.102,4.693 1.018,4.812 0.921,4.921 0.812,5.018 0.693,5.102 0.565,5.173 0.43,5.229 0.29,5.269 0.146,5.294 0,5.302 -0.146,5.294 -0.29,5.269 -0.43,5.229 -0.565,5.173 -0.693,5.102 -0.812,5.018 -0.921,4.921 -1.018,4.812 -1.102,4.693 -1.173,4.565 -1.229,4.43 -1.269,4.29 -1.294,4.146 -1.302,4.009 -1.302,4 -1.302,0.502 -8.498,0.502 -8.498,3.2 -8.498,3.209 -8.506,3.346 -8.531,3.49 -8.571,3.63 -8.627,3.765 -8.698,3.893 -8.782,4.012 -8.879,4.121 -8.988,4.218 -9.107,4.302 -9.235,4.373 -9.37,4.429 -9.51,4.469 -9.654,4.494 -9.791,4.502 -9.8,4.502 -9.834,4.502 -9.834,5.6 -10.648,5.6 -10.648,50.448 18.348,50.448

## Keep-outs
Keep-Out Layer:
  rectangle: -11.15,-1 18.85,3
  rectangle: -0.9,3 0.9,4.9
  text "'.Layer_Name'" at 132,-54.129 h2.5

## Other copper
Top:
  pour cut-out: 0.887,9.425 ccw(c0.987,9.425) 0.987,9.325 1.912,9.325 ccw(c1.912,9.425) 2.012,9.425 2.012,10.162 cw(c2.388,10.162) 2.388,10.538 2.743,10.538 cw(c2.743,10.219) 3.062,10.219 3.062,9.425 cw(c1.637,9.425) 1.637,8 1.262,8 cw(c1.262,9.425) -0.163,9.425 -0.163,10.19 cw(c0.185,10.19) 0.185,10.538 0.513,10.538 cw(c0.513,10.163) 0.887,10.163
  pour cut-out: -1.704,11.25 -3.25,11.25 ccw(c-3.295,10.846) -3.7,10.89 cw(c-4.144,10.944) -4.2,10.5 -9,10.5 ccw(c-8.951,9.951) -9.5,9.9 -9.5,8 ccw(c-8.928,8.052) -8.876,7.481 cw(c-9.031,6.258) -7.8,6.2 -7.8,3.1 ccw(c-7.45,3.1) -7.45,2.75 -6.752,2.75 ccw(c-6.752,3.002) -6.5,3.002 -6.5,8.3 cw(c-6.2,8.3) -6.2,8.6 -2.9,8.6 ccw(c-2.9,9.5) -2,9.5 cw(c-1.352,9.452) -1.4,10.1 ccw(c-1.35,12.675) -1.3,10.1 -1.3,10.8 ccw(c-1.734,10.816)
  pour cut-out: 17.02,20.28 17.02,10.62 cw(c15.8,10.62) 15.8,9.4 11.12,9.4 cw(c11.12,10.655) 10.232,9.768 9.548,10.452 cw(c9.617,10.52) 9.52,10.52 8.387,10.52 cw(c8.387,12.312) 7.12,11.045 5.561,11.045 cw(c5.561,12.163) 4.77,11.373 4.77,17.377 ccw(c4.522,17.377) 4.697,17.553 3.5,18.75 cw(c3.5,19.17) 3.08,19.17 3.08,20.138 cw(c3.445,20.138) 3.445,20.503 4.25,21.25 5.718,21.237 5.884,21.237 cw(c5.884,20.858) 6.263,20.858 6.263,20.437 ccw(c7.6,20.437) 7.6,19.1 11.04,19.1 ccw(c11.04,19.34) 11.28,19.34 11.28,20.87 11.414,20.87 ccw(c11.414,22.278) 12.822,22.278 15.343,22.278 cw(c15.343,22.121) 15.5,22.121 15.5,21.8
  text "1" at -10.7,4.5 h1
  text "'.Layer_Name'" at 132,-54.101 h2.5
Signal-1:
  text "3" at -10.7,4.5 h1
  text "'.Layer_Name'" at 132,-54.129 h2.5
Signal-2:
  text "4" at -10.7,4.5 h1
  text "'.Layer_Name'" at 132,-54.129 h2.5
Bottom:
  region: 1768 vertices and 0 holes, not listed, extent 3.067,45.871 4.602,47.152
  text "6" at -10.7,4.5 h1
  text "'.Layer_Name'" at 132,-54.101 h2.5
GND-1 (plane layer: these items are gaps in the copper):
  text "2" at -10.7,4.4 h1
  text "'.Layer_Name'" at 132,-54.129 h2.5
GND-2 (plane layer: these items are gaps in the copper):
  text "5" at -10.7,4.5 h1
  text "'.Layer_Name'" at 132,-54.129 h2.5

## Silkscreen, mask and mechanical layers (free items; w line width, h text height)
Top Overlay:
  text "dpmj" at 0.843,31.136 h2
  text "v.ProjectVersion" at -1.8,5.128 h2
  text "'.Layer_Name'" at 140.3,-54.129 h2.5
Board Layer Stack Bottom Overlay:
  drawing of 5 lines, arcs and shapes, not listed
  text "1" at -6.05,33.3 h0.8
  text "3" at -4.45,33.3 h0.8
  text "8" at 0.05,32.4 h0.8
  text "6" at -3.183,32.2 h0.8
  text "7" at 0.05,31.1 h0.8
  text "5" at -3.183,31 h0.8
  text "9" at 2.05,28.7 h0.8
  text "10" at 3.45,28.7 h0.8
  text "11" at 5.948,27.746 h0.8
  text "Universitat Politècnica de València" at 16.75,24.453 h2
  text "NOTES" at 16.5,18.029 h1.5
  text "dpmj" at -6.221,5.236 h2
  text "v.ProjectVersion" at 1.407,5.128 h2
  text ".ModifiedDate" at 17.347,4.528 h2
  text "'.Layer_Name'" at 146.5,-53.129 h2.5
Top Paste:
  text "'.Layer_Name'" at 132,-54.101 h2.5
Bottom Paste:
  text "'.Layer_Name'" at 132,-54.101 h2.5
Top Solder:
  rectangle: -9.1,-0.2 16.8,3
  text "'.Layer_Name'" at 156,-54.129 h2.5
Board Layer Stack Bottom Solder:
  rectangle: -9.1,-0.2 16.8,3
  text "'.Layer_Name'" at 147.5,-55.129 h2.5
Drill Guide:
  text "'.Layer_Name'" at 147,-55.129 h2.5
Dimension:
  text "'.Layer_Name'" at 161,-55.101 h2.5
Board Shape:
  lines w0.1: -9.8,4 cw(c-9.8,3.2) -9,3.2 ; -9.8,4 cw(c-9.8,3.2) -9,3.2 ; -9.8,4 -11.15,4 -11.15,50.95 18.85,50.95 18.85,4 17.5,4 ; -9,3.2 -9,0 -0.8,0 -0.8,4 ; -0.8,4 cw(c0,4) 0.8,4 ; -0.8,4 cw(c0,4) 0.8,4 ; 0.8,4 0.8,0 16.7,0 16.7,3.2 ; 16.7,3.2 cw(c17.5,3.2) 17.5,4 ; 16.7,3.2 cw(c17.5,3.2) 17.5,4
  text "'.Layer_Name'" at 132,-53.129 h2.5
Component Guard:
  text "'.Layer_Name'" at 149,-53.129 h2.5
Sheet:
  drawing of 136 lines, arcs and shapes, not listed
  text "1" at -36.834,118.631 h1.78
  text "2" at 35.81,118.631 h1.78
  text "3" at 108.962,118.631 h1.78
  text "4" at 181.86,118.631 h1.78
  text "A" at -71.175,95.619 h1.78
  text "A" at 215.845,95.619 h1.78
  text "Layer" at 124.893,81.953 h2.03
  text "Name" at 133.435,81.953 h2.03
  text "Material" at 167.35,81.953 h2.03
  text "Thickness" at 178.736,81.953 h2.03
  text "Constant" at 191.085,81.953 h2.03
  text "Gerber" at 202.465,81.953 h2.03
  text "Top Overlay" at 133.433,77.89 h2.03
  text "GTO" at 202.465,77.89 h2.03
  text "Top Solder" at 133.433,73.826 h2.03
  text "SM-001" at 169.134,73.826 h2.03
  text "0,025mm" at 180.558,73.826 h2.03
  text "4" at 197.547,73.826 h2.03
  text "GTS" at 202.465,73.826 h2.03
  text "1" at 124.891,69.763 h2.03
  text "Top" at 133.433,69.763 h2.03
  text "CF-003" at 169.188,69.763 h2.03
  text "0,018mm" at 180.558,69.763 h2.03
  text "GTL" at 202.465,69.763 h2.03
  text "PP-top" at 133.433,65.7 h2.03
  text "PP-008" at 169.23,65.7 h2.03
  text "0,130mm" at 180.558,65.7 h2.03
  text "4.1" at 195.663,65.7 h2.03
  text "2" at 124.893,61.637 h2.03
  text "GND-1" at 133.433,61.637 h2.03
  text "CF-004" at 169.16,61.637 h2.03
  text "0,035mm" at 180.558,61.637 h2.03
  text "GP1" at 202.465,61.637 h2.03
  text "Core-1" at 133.433,57.574 h2.03
  text "Core-009" at 167.305,57.574 h2.03
  text "0,180mm" at 180.558,57.574 h2.03
  text "4.5" at 195.684,57.574 h2.03
  text "3" at 124.891,53.511 h2.03
  text "Signal-1" at 133.435,53.511 h2.03
  text "CF-004" at 169.16,53.511 h2.03
  text "0,035mm" at 180.558,53.511 h2.03
  text "G1" at 202.465,53.511 h2.03
  text "PP-mid" at 133.433,49.448 h2.03
  text "PP-008" at 169.23,49.448 h2.03
  text "0,130mm" at 180.558,49.448 h2.03
  text "4.1" at 195.663,49.448 h2.03
  text "B" at -71,49 h1.78
  text "B" at 215.845,47.562 h1.78
  text "4" at 124.893,45.385 h2.03
  text "Signal-2" at 133.435,45.385 h2.03
  text "CF-004" at 169.16,45.385 h2.03
  text "0,035mm" at 180.558,45.385 h2.03
  text "G2" at 202.465,45.385 h2.03
  text "Core-2" at 133.433,41.322 h2.03
  text "Core-009" at 167.305,41.322 h2.03
  text "0,180mm" at 180.558,41.322 h2.03
  text "4.5" at 195.684,41.322 h2.03
  text "5" at 124.891,37.259 h2.03
  text "GND-2" at 133.433,37.259 h2.03
  text "CF-004" at 169.16,37.259 h2.03
  text "0,035mm" at 180.558,37.259 h2.03
  text "GP2" at 202.465,37.259 h2.03
  text "PP-bottom" at 133.433,33.195 h2.03
  text "PP-008" at 169.23,33.195 h2.03
  text "0,130mm" at 180.558,33.195 h2.03
  text "4.1" at 195.663,33.195 h2.03
  text "6" at 124.893,29.132 h2.03
  text "Bottom" at 133.433,29.132 h2.03
  text "CF-003" at 169.188,29.132 h2.03
  text "0,018mm" at 180.558,29.132 h2.03
  text "GBL" at 202.465,29.132 h2.03
  text "Board Layer Stack Bottom Solder" at 133.433,25.069 h2.03
  text "SM-001" at 169.134,25.069 h2.03
  text "0,025mm" at 180.558,25.069 h2.03
  text "4" at 197.547,25.069 h2.03
  text "GBS" at 202.465,25.069 h2.03
  text "Board Layer Stack Bottom Overlay" at 133.433,21.006 h2.03
  text "GBO" at 202.465,21.006 h2.03
  text "Total board thickness:" at 124.891,16.943 h2.03
  text "0,976mm" at 180.558,16.943 h2.03
  text "C" at -71.175,-0.952 h1.78
  text "C" at 215.845,-0.952 h1.78
  text "Pluton UPV" at 125,-44.287 h2.5
  text "D" at -71.175,-48.958 h1.78
  text "D" at 215.845,-48.958 h1.78
  text "Project:" at 124.95,-49.241 h2.5
  text ".ProjectTitle" at 133.05,-49.355 h2.5
  text "Layer:" at 125,-54.066 h2.5
  text "Engineer:" at 125,-59.066 h2.5
  text ".Author" at 135.495,-59.287 h2.5
  text "Revision:" at 147.075,-64.225 h2.5
  text "Date:" at 125,-64.288 h2.5
  text ".ProjectVersion" at 156.975,-64.3 h2.5
  text "Size:" at 183.125,-64.4 h2.5
  text "A4" at 189.125,-64.425 h2.5
  text "'.Print_Date'" at 130.92,-64.48 h2.5
  text "1" at -36.834,-69.329 h1.78
  text "2" at 35.81,-69.329 h1.78
  text "3" at 108.962,-69.329 h1.78
  text "4" at 181.86,-69.329 h1.78
Drill Drawing:
  circle w0.15: c105.628,99.621 r0.823
  lines w0.15: 104.805,95.094 106.451,95.094 106.451,96.74 104.805,96.74 104.805,95.094 ; 104.805,104.147 106.451,104.147 105.628,102.501 104.805,104.147 ; 104.805,106.204 105.628,106.616 106.451,106.204 106.039,107.027 106.451,107.85 105.628,107.439 104.805,107.85 105.216,107.027 104.805,106.204
  lines w0.2: 103.359,93.983 210,93.983 ; 103.359,108.797 210,108.797 ; 113.145,90.28 113.145,112.5 ; 123.498,90.28 123.498,112.5 ; 135.468,90.28 135.468,112.5 ; 144.074,90.28 144.074,112.5 ; 156.044,90.28 156.044,112.5 ; 175.768,90.28 175.768,112.5 ; 185.605,90.28 185.605,112.5 ; 197.546,90.28 197.546,112.5 ; 103.359,90.28 210,90.28 210,112.5 103.359,112.5 103.359,90.28
  text "Symbol" at 105.581,109.908 h2.4
  text "Count" at 114.256,109.908 h2.4
  text "Hole Size" at 124.609,109.908 h2.4
  text "Plated" at 136.579,109.908 h2.4
  text "Hole Type" at 145.185,109.908 h2.4
  text "Drill Layer Pair" at 157.155,109.908 h2.4
  text "Via/Pad" at 176.879,109.908 h2.4
  text "Pad Shape" at 186.716,109.908 h2.4
  text "Template" at 198.657,109.908 h2.4
  text "353" at 114.256,106.204 h2
  text "0,200mm" at 124.609,106.204 h2
  text "PTH" at 136.579,106.204 h2
  text "Round" at 145.185,106.204 h2
  text "Top - Bottom" at 157.155,106.204 h2
  text "Via" at 176.879,106.204 h2
  text "Rounded" at 186.716,106.204 h2
  text "v40h20_lib" at 198.657,106.204 h2
  text "215" at 114.256,102.501 h2
  text "0,300mm" at 124.609,102.501 h2
  text "PTH" at 136.579,102.501 h2
  text "Round" at 145.185,102.501 h2
  text "Top - Bottom" at 157.155,102.501 h2
  text "(Mixed)" at 176.879,102.501 h2
  text "(Mixed)" at 186.716,102.501 h2
  text "(Mixed)" at 198.657,102.501 h2
  text "2" at 114.256,98.798 h2
  text "1,300mm" at 124.609,98.798 h2
  text "PTH" at 136.579,98.798 h2
  text "Round" at 145.185,98.798 h2
  text "Top - Bottom" at 157.155,98.798 h2
  text "Pad" at 176.879,98.798 h2
  text "Rounded" at 186.716,98.798 h2
  text "c170h130p0" at 198.657,98.798 h2
  text "2" at 114.256,95.094 h2
  text "2,600mm" at 124.609,95.094 h2
  text "PTH" at 136.579,95.094 h2
  text "Round" at 145.185,95.094 h2
  text "Top - Bottom" at 157.155,95.094 h2
  text "Pad" at 176.879,95.094 h2
  text "Rectangle" at 186.716,95.094 h2
  text "s580h260" at 198.657,95.094 h2
  text "572 Total" at 114.256,91.391 h2
  text "'.Layer_Name'" at 132,-55.101 h2.5

## Dimensions
-11.15,50.95 to 18.85,50.95 on Dimension
-8.25,48.05 to 15.95,48.05 on Dimension
0,0 to -11.15,4.075 on Dimension
0,0 to 18.85,4.475 on Dimension
-9,1.025 to -11.15,4.075 on Dimension
-9,0.45 to 16.7,0.35 on Dimension
15.95,48.05 to 15.55,0 on Dimension
18.35,50.95 to 16.375,0 on Dimension

## Text inside footprints (layer, text, board x,y; h text height)
CN201: Board Layer Stack Bottom Overlay "5VDC" at 14.6,34.628 h0.8 r270; Board Layer Stack Bottom Overlay "GND" at 12.06,35.427 h0.8 r270; Board Layer Stack Bottom Overlay "SCL" at 9.52,35.427 h0.8 r270; Board Layer Stack Bottom Overlay "SDA" at 6.98,35.427 h0.8 r270; Board Layer Stack Bottom Overlay "GND" at 4.44,35.427 h0.8 r270; Board Layer Stack Bottom Overlay "CLK" at 1.9,35.427 h0.8 r270; Board Layer Stack Bottom Overlay "MISO" at -0.64,34.761 h0.8 r270; Board Layer Stack Bottom Overlay "MOSI" at -3.18,34.894 h0.8 r270; Board Layer Stack Bottom Overlay "CSN" at -5.72,35.427 h0.8 r270; Board Layer Stack Bottom Overlay "GND" at -8.26,35.427 h0.8 r270